# Altium PCB SmartSwitchV3.PcbDoc (continued)
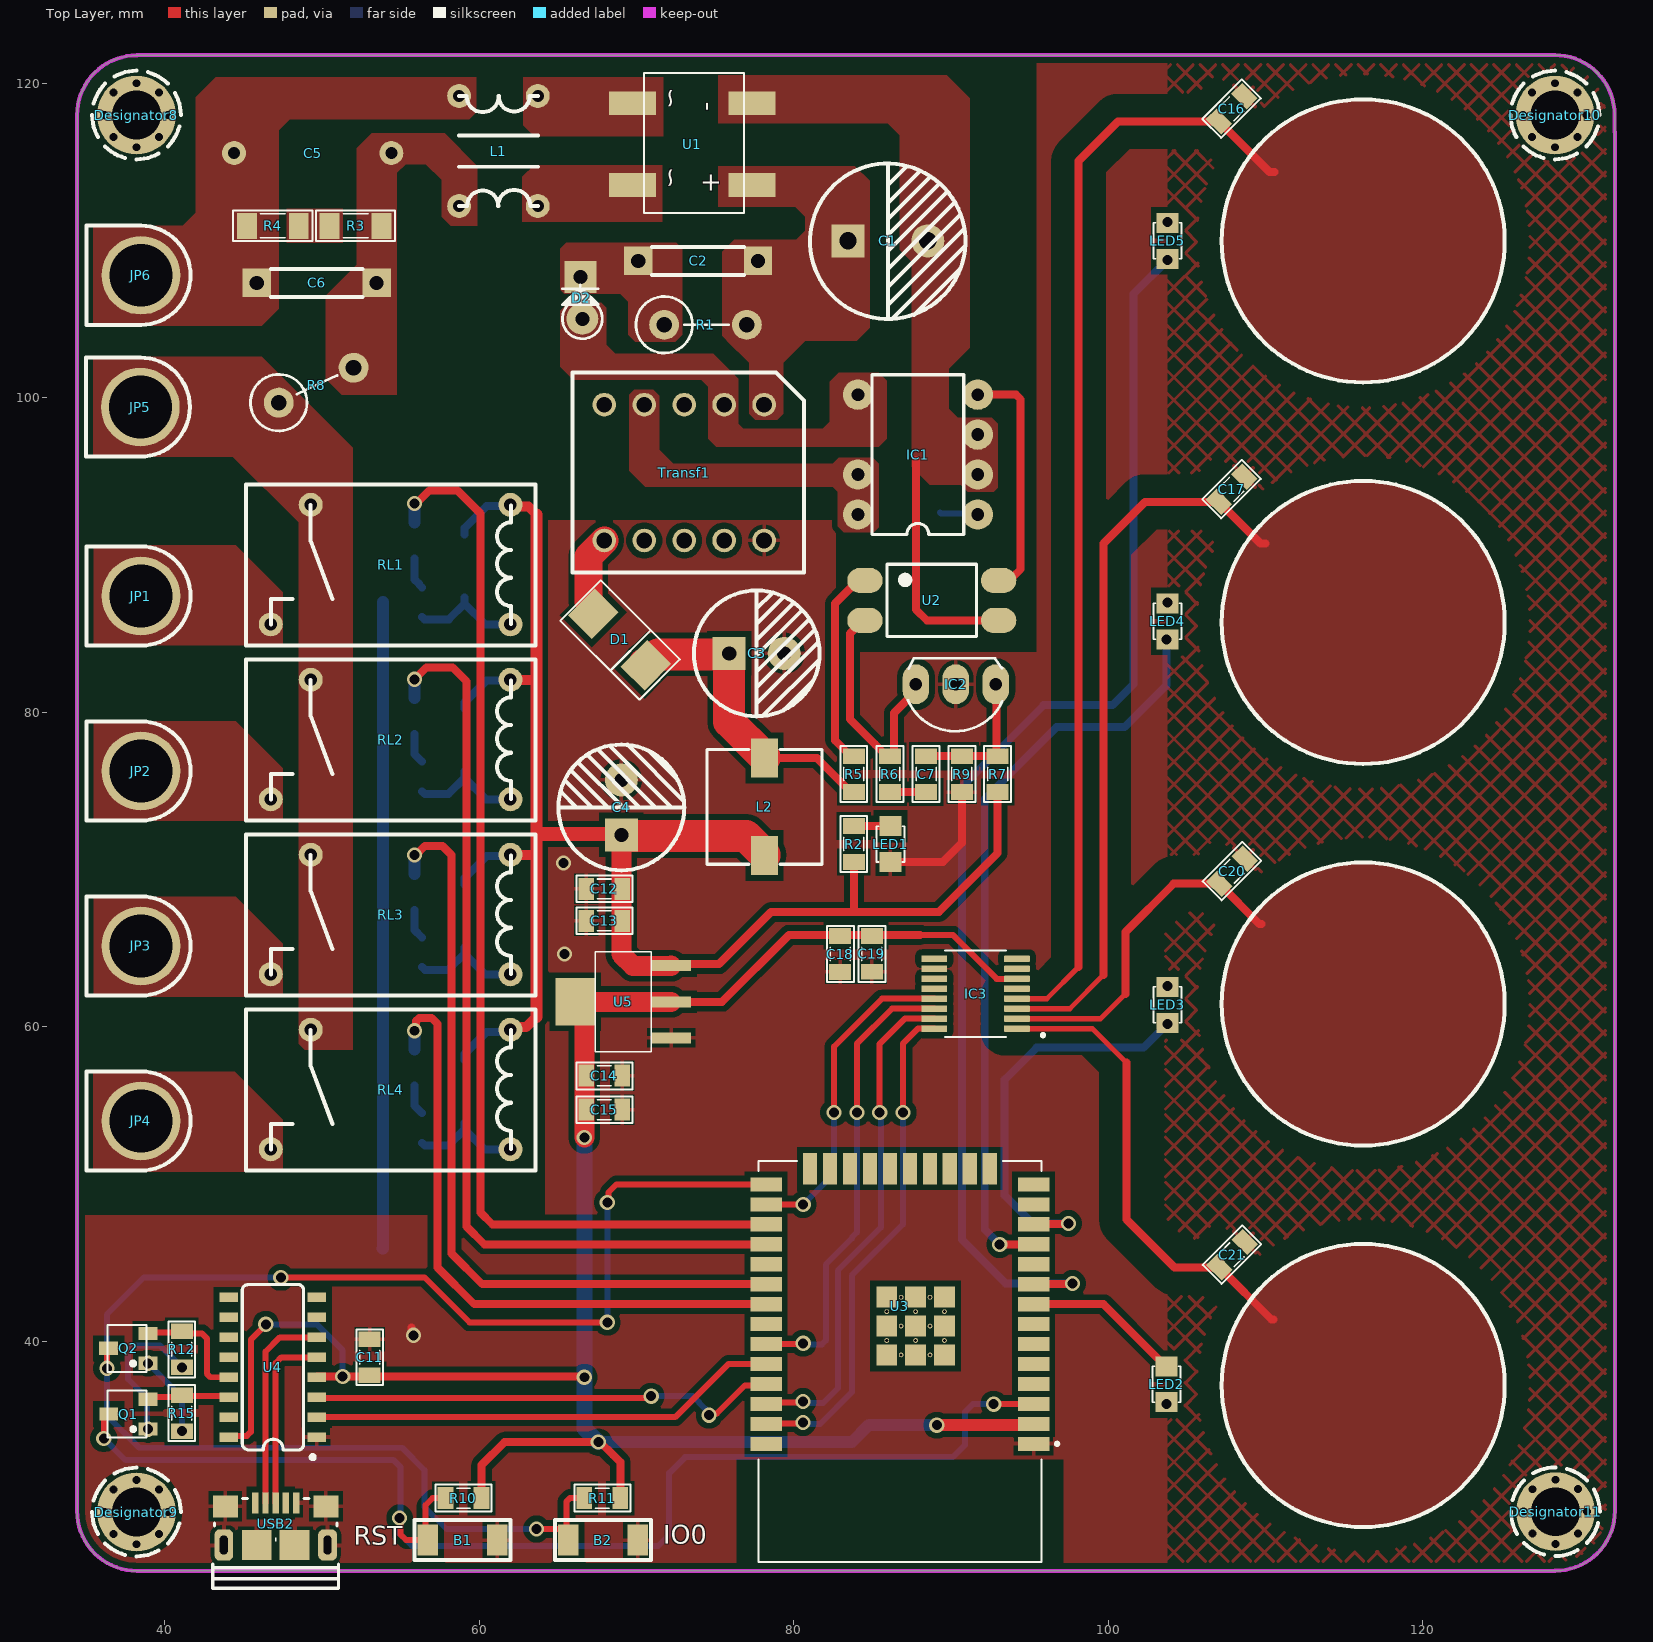
[diagram p0: Top Layer view]
## Footprints (in the part's own frame and the unit in brackets; to place one, negate y for a bottom-side part, rotate by r counter-clockwise, add the part's x,y. Pads: shape width x height; smd on the part's side, far side on the other; paste and mask are expansions set on the pad)
103/2KV [mm]
  rect 1.8x1.8 hole 0.9: 1(0,0) 2(7.62,0)
  silkscreen extent 0.89,-0.89 6.73,0.89, body extent -0.19,-1.2 7.81,1.19, height 9.03
"Button 3x4x2.5" [mm]
  rect 1.3x2 smd: 1(-2.2,0) 2(2.2,0)
  silkscreen extent -3.05,-1.27 3.05,1.27, body extent -2.45,-1.45 2.45,1.45, height 2
C8mm [mm]
  rect 2.1x2.1 hole 0.9: 1(-1.581,-0.069)
  round 2.1 hole 0.9: 2(1.919,-0.069)
  silkscreen extent -3.83,-4.07 4.17,3.93, body extent -3.93,-4.14 4.27,4.06, height 13.81
C10mm [mm]
  rect 2.1x2.1 hole 1.1: 1(-2.549,-0.062)
  round 2.1 hole 1.1: 2(2.531,-0.062)
  silkscreen extent -4.96,-5.02 4.92,4.85, body extent -5.01,-5.06 4.96,4.94, height 20.01
"Cap AC filter" [mil]
  round 60 hole 30: 1(-196.85,0) 2(196.85,0)
  body extent -256,-98 256,98, height 472
CAP_0805 [mm]
  rect 1x1.397 smd: 1(-1.088,-2.238) 2(1.198,-2.238)
  silkscreen extent -1.72,-3.1 1.83,-1.4, body extent -0.96,-2.88 1.06,-1.61, height 0.61
Coc_dong [mm]
  round 5 hole 4: 1(-0.1,-0.042)
  silkscreen extent -3.25,-3.5 3.05,3.11
DB207S [mm] "Bridge Rectifiers 2A 1000V"
  rect 1.5x3 smd: 1(2.54,3.81) 2(2.54,-3.785) 3(-2.667,-3.785) 4(-2.667,3.81)
  silkscreen extent -4.57,-3.05 4.32,3.3
DIO-1AN [mil] "Diode 1A, W 100mil, L 150mil"
  round 80 hole 35: 1(55,5)
  rect 80x80 hole 35: 2(-50,0)
  silkscreen extent -30,-45 105,55, body extent -64,-50 104,55, height 252
"DIODE SMA" [mm] "SMA"
  rect 2.5x1.7 smd: 1(-2,0) 2(2,0)
  silkscreen extent -3.68,-1.65 3.75,1.65, body extent -2.6,-1.37 2.6,1.37, height 2.4
DO-214AA(SMB) [mm] "DO-214AA Diode Middle Size"
  rect 2.16x2.4 smd: 1(2.184,-0.025) 2(-2.494,-0.076)
  silkscreen extent -3.76,-1.86 3.35,1.76, body extent -2.98,-1.76 2.42,1.86, height 2.43
HF32F [mm]
  round 1.524 hole 0.8: 1(16.87,3.9) 2(14.33,-3.7) 4(1.63,3.9) 5(1.63,-3.7)
  silkscreen extent 0.05,-5 18.45,5.25
HOLD [mm]
  round 0.5 hole 0.5: 2(-2.025,0) 2(-1.45,-1.4) 2(-1.45,1.425) 2(0,-2.05) 2(0,2.025) 2(1.429,-1.4) 2(1.429,1.434) 2(2,0)
  round 5 hole 3.1: 10(0,0)
  silkscreen extent -2.82,-2.82 2.82,2.82
"Inductor EE8.3" [mil]
  round 60 hole 30: 1(-137.8,-98.43) 2(-137.8,98.43) 3(137.8,-98.43) 4(137.8,98.43)
  silkscreen extent -138,-98 138,98
L_SMD [mm]
  rect 1.7x2.5 smd: 1(0.15,2.8) 2(0.15,-3.4)
  silkscreen extent -3.5,-3.95 3.8,3.35, body extent -3.5,-3.95 3.8,3.35, height 4.05
LED-0805-Red [mil]
  rect 50x55 smd: 1(0,0) 2(90,0)
  silkscreen extent 0,-35 90,35, body extent 5,-25 85,25, height 43
LM1117-SOP [mm]
  rect 0.7x2.54 smd: 1(-2.3,-1.27) 2(0,-1.27) 3(2.3,-1.27)
  rect 3x2.54 smd: 2(0,4.826)
  silkscreen extent -3.18,0 3.17,3.56, body extent -3.25,-1.78 3.25,5.18, height 1.68
MODULE_ESP32-WROOM-32 [mm]
  rect 2x0.9 smd: 1(-8.5,5.26) 2(-8.5,3.99) 3(-8.5,2.72) 4(-8.5,1.45) 5(-8.5,0.18) 6(-8.5,-1.09) 7(-8.5,-2.36) 8(-8.5,-3.63) 9(-8.5,-4.9) 10(-8.5,-6.17) 11(-8.5,-7.44) 12(-8.5,-8.71) 13(-8.5,-9.98) 14(-8.5,-11.25) 25(8.5,-11.25) 26(8.5,-9.98) 27(8.5,-8.71) 28(8.5,-7.44) 29(8.5,-6.17) 30(8.5,-4.9) 31(8.5,-3.63) 32(8.5,-2.36) 33(8.5,-1.09) 34(8.5,0.18) 35(8.5,1.45) 36(8.5,2.72) 37(8.5,3.99) 38(8.5,5.26)
  rect 0.9x2 smd: 15(-5.715,-12.25) 16(-4.445,-12.25) 17(-3.175,-12.25) 18(-1.905,-12.25) 19(-0.635,-12.25) 20(0.635,-12.25) 21(1.905,-12.25) 22(3.175,-12.25) 23(4.445,-12.25) 24(5.715,-12.25)
  rect 1.33x1.33 smd: 39_1(-2.835,-0.405) 39_2(-1,-0.405) 39_3(0.835,-0.405) 39_4(-2.835,-2.24) 39_5(-1,-2.24) 39_6(0.835,-2.24) 39_7(-2.835,-4.075) 39_8(-1,-4.075) 39_9(0.835,-4.075)
  round 0.3 hole 0.2: 39_10(-1.917,-0.405) 39_11(-0.082,-0.405) 39_12(-2.835,-1.322) 39_13(-1,-1.322) 39_14(0.835,-1.322) 39_15(-1.917,-2.24) 39_16(-0.082,-2.24) 39_17(-2.835,-3.157) 39_18(-1,-3.157) 39_19(0.835,-3.157) 39_20(-1.917,-4.075) 39_21(-0.082,-4.075)
  silkscreen extent -10.1,-12.75 9,12.75, body extent -9.02,-12.75 8.98,12.75, height 3.2
qto-92 [mil] "TO-92"
  oval 66x100 hole 32: 1(-100,0) 2(0,0) 3(100,0)
  silkscreen extent -117,-65 120,118, body extent -109,-66 109,95, height 245
RES-1WW [mm]
  round 1.905 hole 1: 1(-1.651,0) 2(3.6,0)
  silkscreen extent -3.45,-1.8 2.45,1.8
RES-SMD-0805 [mil]
  rect 39.37x55 smd: 1(-45,0) 2(45,0)
  silkscreen extent -70,-34 70,33, body extent -39,-25 39,25, height 31
RES-SMD-1206 [mil]
  rect 50x65 smd: 1(-65,0) 2(65,0)
  silkscreen extent -99,-38 99,39, body extent -63,-31 63,32, height 40
SO016 [mm]
  rect 0.6x1.2 smd: 1(-4.445,-2.8) 2(-3.175,-2.8) 3(-1.905,-2.8) 4(-0.635,-2.8) 5(0.635,-2.8) 6(1.905,-2.8) 7(3.175,-2.8) 8(4.445,-2.8) 9(4.445,2.8) 10(3.175,2.8) 11(1.905,2.8) 12(0.635,2.8) 13(-0.635,2.8) 14(-1.905,2.8) 15(-3.175,2.8) 16(-4.445,2.8)
  silkscreen extent -5.84,-2.67 5.26,1.95, body extent -4.99,-3.13 4.99,3.1, height 1.58
SOP4 [mm]
  oval 2.25x1.6 smd: 1(-4.25,1.27) 2(-4.25,-1.27) 3(4.25,-1.27) 4(4.25,1.27)
  silkscreen extent -2.85,-2.3 2.85,2.3, body extent -4.67,-2.29 4.93,2.31, height 3.6
SOT23 [mm] "SOT23"
  rect 0.9x0.95 smd: 1(-0.95,-1.25) 2(0,1.25)
  rect 0.9x0.95 smd mask+0: 3(0.95,-1.25)
  silkscreen extent -1.3,-0.38 1.3,1.25, body extent -1.52,-1.23 1.48,1.27, height 1.06
SOT23D [mm] "SOT 23C - 1-3-2 - BCE"
  rect 0.85x1.2 smd: 1(-0.95,-1.25) 2(0.94,-1.245) 3(0,1.25)
  silkscreen extent -1.5,-1.14 1.5,1.32, body extent -1.5,-1.17 1.5,1.33, height 1.06
TNY264 [mil] "Opto"
  round 76 hole 32: 1(66.54,46.85) 2(166.54,46.85) 3(266.54,46.85) 4(366.54,46.85) 5(366.54,346.85) 7(166.54,346.85) 8(66.54,346.85)
  silkscreen extent 17,82 417,312
"Transformer EE12.7" [mm]
  round 1.5 hole 1: 1(-5.08,-4.318) 2(-2.54,-4.318) 3(0,-4.318) 4(2.54,-4.318) 5(5.08,-4.318) 6(5.08,4.318) 7(2.54,4.318) 8(0,4.318) 9(-2.54,4.318) 10(-5.08,4.318)
  silkscreen extent -7.62,-6.35 7.11,6.35
TTP224 [mm]
  rrect25% 1.65x0.41 smd: 1(-3.129,1.71) 2(-3.129,1.075) 3(-3.129,0.44) 4(-3.129,-0.195) 5(-3.129,-0.829) 6(-3.129,-1.465) 7(-3.129,-2.1) 8(-3.129,-2.735) 9(2.131,-2.735) 10(2.131,-2.099) 11(2.131,-1.465) 12(2.131,-0.83) 13(2.131,-0.194) 14(2.131,0.44) 15(2.131,1.075) 16(2.131,1.71)
  silkscreen extent -4.88,-3.26 1.45,2.24, body extent -3.5,-2.96 2.5,1.94, height 1.75
"USB Micro 5p DIP" [mm]
  rect 0.4x1.35 smd mask+0.05: 1(-1.3,2.675) 2(-0.65,2.675) 3(0,2.675) 4(0.65,2.675) 5(1.3,2.675)
  rrect60% 1.2x2 hole 0.5 slot 1.2 at 90 deg: 5(-3.3,0) 5(3.3,0)
  rect 1.6x1.4 smd: 5(-3.2,2.45) 5(3.2,2.45)
  rect 1.9x1.9 smd paste-10: 5(-1.2,0) 5(1.2,0)
  silkscreen extent -4,-2.75 4,2.95, body extent -3.93,-2.76 3.93,2.9, height 2.85

## Part data
C1 C3 C4: library part "Cap Pol", "Polarized Capacitor (Axial)", LatestRevisionDate=17-Jul-2002, LatestRevisionNote="Re-released for DXP Platform.", PackageReference=POLAR0.8, Published=8-Jun-2000, Publisher="Altium Limited"
C2: library part Cap2KV, "CAP CERAMIC", LatestRevisionDate=17-Jul-2002, LatestRevisionNote="Re-released for DXP Platform.", PackageReference=RAD-0.3, Published=8-Jun-2000, Publisher="Altium Limited"
C5: library part "Cap AC filter", "Tụ lọc nguồn AC 0.1uf 275v 10mm"
C6: library part Cap2KV, "Capacitor Ceramic 2KV", LatestRevisionDate=17-Jul-2002, LatestRevisionNote="Re-released for DXP Platform.", PackageReference=RAD-0.3, Published=8-Jun-2000, Publisher="Altium Limited"
C7 C8 C9 C10 C11 C12 C13 C14 C15 C16 C17 C18 C19 C20 C21: library part CapSMD, "Capacitor", LatestRevisionDate=17-Jul-2002, LatestRevisionNote="Re-released for DXP Platform.", PackageReference=RAD-0.3, Published=8-Jun-2000, Publisher="Altium Limited"
D1: library part "Diode SMD", "Diode Schottky / 1N5819", Code - JEDEC=DO-214-AB, Published=8-Jun-2000, Publisher="Altium Limited", Revision="July-2002: Re-released for DXP Platform."
D2: library part "Diode SMD", "Diode Schottky / 1N4937", Code - JEDEC=DO-214-AB, Published=8-Jun-2000, Publisher="Altium Limited", Revision="July-2002: Re-released for DXP Platform."
D3 D4 D5 D6: library part "Diode M7 ( 4007 )", "Dán", Chung_Loai=Dán, Don_Vi=Con, Ma_Hang=MH000944, Ten_Linh_Kien="Diode M7 1N4007 SMD 1A 1000V"
IC1: "IC Power"
IC2: "Programmable Shunt Regulator"
L2: library part Inductor, "CD73R 22uH 1.23A 7345"
LED1 LED2 LED3 LED4 LED5: "LED Single colour Green and Red"
Q1 Q2: library part 2SC1815, "NPN 600mW, ECB"
Q3 Q4 Q5 Q6: library part "C1815 HF SMD", "NPN transistor"
R1 R2 R3 R4 R5 R6 R7 R8 R9 R10 R11 R12 R13 R14 R15 R16 R17 R18 R19 R20 R21: library part "Resistor - SMD", "Resistor", Manufacturer="Generic Components", Class=Passive, Published=08/06/2000, Publisher="Altium Hobart Technology Centre"
Transf1: library part "Tranformer EE16"
U1: "Diode Bridge"
U2: "Single Opto"
U3: "Bluetooth, WiFi Transceiver Module 2.4GHz ~ 2.5GHz Surface Mount", Package="Module Espressif Systems", Digi-Key_Part_Number=1904-1010-1-ND, Digi-Key_Purchase_URL=https://www.digikey.com/product-detail/en/espressif-systems/ESP32-WROOM-32/1904-1010-1-ND/8544305?utm_source=snapeda&utm_medium=aggregator&utm_campaign=symbol, MF="Espressif Systems", MP=ESP32-WROOM-32, SnapEDA_Link=https://www.snapeda.com/parts/ESP32-WROOM-32/Espressif%20Systems/view-part/2753322/?ref=snap
U4: "USB to serial chip CH340", Package=Package, Availability=Unavailable, Check_prices=https://www.snapeda.com/parts/CH340C/WCH/view-part/5428851/?ref=eda, MF=WCH, MP=CH340C, Price=None, SnapEDA_Link=https://www.snapeda.com/parts/CH340C/WCH/view-part/5428851/?ref=snap
U5: "800mA Low-Dropout Linear Regulator", Creator="Nguyen Ba Bien", Website=http://group3i.net
USB2: "USB Type B", Ma_Hang=MH005145, Ten="MicroUSB MK5P DIP"

## Via types
v1: diameter 0.965, hole 0.635, Top Layer to Bottom Layer, tented both sides, 45 vias

## Nets (pads, with @x,y where several pads share a name; then routed paths per layer and width w, separated by ;. In a path a pad name is that pad's centre, name@x,y a point inside that pad or via, vN(x,y) a via of type N, cw(c..) or ccw(c..) an arc to the next point about the centre after c; other vN are vias at no path point)
+3.3V: C9.1 C10.1 C11.1 C14.1 C15.1 C18.2 C19.2 IC3.6 R10.1 R11.1 U3.2 U4.4 U4.16 U5.2 | length 134.4
  Top Layer w0.381: U4.16 44.153,33.999 45.214,33.999 45.466,34.25 45.466,40.112 46.419,41.065 v1(46.419,41.084) ; 88.011,65.849 90.106,65.849 92.896,63.06 IC3.6
  Top Layer w0.508: U4.4 49.709,37.765 v1(51.308,37.765) 51.325,37.782 52.959,37.782 C11.1 ; C11.1@53.023,37.782 66.611,37.782 v1(66.675,37.719) ; R10.1 60.135,32.131 61.595,33.591 67.688,33.591 68.494,32.786 68.497,32.786 68.961,32.321 R11.1 ; U5.2@72.199,61.595 75.438,61.595 79.692,65.849 82.946,65.849 84.963,65.849 88.011,65.849
  Top Layer w0.762: v1@89.344,34.671 93.909,34.671 93.925,34.687 95.183,34.687 U3.2
  Top Layer w1.27: U5.2@66.103,61.595 66.675,61.023 v1(66.675,52.959) ; U5.2@66.675,61.595 U5.2@72.199,61.595
  Bottom Layer w0.381: v1(46.419,41.084) 49.657,41.084 51.308,39.433 v1(51.308,37.765)
  Bottom Layer w0.762: v1(67.564,33.591) 83.685,33.591 84.772,34.679 C10.1@85.09,34.679 ; C10.1@85.09,34.671 87.058,34.671 v1(89.09,34.671)
  Bottom Layer w1.016: v1(66.675,52.959) 66.675,34.48 v1(67.564,33.591)
+5: C4.1 C12.1 C13.1 D3.2 D4.2 D5.2 D6.2 L2.2 R2.2 R7.2 RL1.5 RL2.5 RL3.5 RL4.5 U5.3 | length 111.5
  Top Layer w0.508: U5.3 72.296,63.991 75.231,63.991 78.549,67.31 83.883,67.31 ; R2.2 83.82,67.373 83.883,67.31 ; R7.2 92.964,71.056 89.218,67.31 83.883,67.31
  Top Layer w0.635: RL4.5 62.141,59.982 62.966,59.982 63.627,60.642 ; RL3.5 63.627,70.944 ; RL2.5 63.281,82.071 ; RL1.5 62.083,93.091 63.119,93.091 63.627,92.583 ; 63.627,72.326 63.684,72.269
  Top Layer w0.762: 63.627,60.642 63.627,70.944 63.627,72.326 63.627,92.583 ; C4.1@68.966,72.269 C4.1
  Top Layer w0.889: 63.684,72.269 C4.1@68.966,72.269
  Top Layer w1.27: C4.1 69.03,64.625 69.774,63.881 72.185,63.881 U5.3
  Top Layer w2.032: C4.1 69.064,72.172 69.727,72.172 69.762,72.136 76.955,72.136 78.128,70.963 L2.2
  Bottom Layer w0.508: D6.2 59.055,58.28 60.452,59.677 61.836,59.677 RL4.5 ; D5.2 59.055,69.456 60.452,70.853 61.885,70.853 RL3.5 ; D4.2 59.055,80.632 60.452,82.029 61.934,82.029 RL2.5 ; D3.2 59.055,91.713 60.452,93.11 61.888,93.11 RL1.5
CH340_RXD: U3.35 U4.3 | length 30.1
  Top Layer w0.381: U4.3 49.701,36.411 70.828,36.411 v1(70.929,36.512) ; v1(74.612,35.306) 74.724,35.418 75.105,35.418 76.892,37.205 78.161,37.205 U3.35
  Bottom Layer w0.381: v1(70.929,36.512) 73.596,36.512 73.962,36.147 73.962,36.115 74.612,35.464 v1(74.612,35.306)
CH340_TXD: U3.34 U4.2 | length 30
  Top Layer w0.381: U4.2 72.453,35.179 75.83,38.555 U3.34
D_N: U4.6 USB2.2 | length 13.3
  Top Layer w0.381: USB2.2 46.397,39.348 47.307,40.259 U4.6
D_P: U4.5 USB2.3 | length 11.7
  Top Layer w0.381: USB2.3 47.047,38.623 47.413,38.989 U4.5
DTR: Q2.2 R12.1 U4.13 | length 7.5
  Top Layer w0.381: Q2.2@39.238,40.498 39.309,40.569 R12.1@41.156,40.569 ; R12.1 R12.1@41.156,40.569 ; U4.13 42.895,37.719 42.672,37.942 42.672,40.195 42.355,40.513 41.212,40.513 R12.1@41.156,40.569
EN: B1.2 Q1.3 R10.2 U3.3 | length 80.2
  Top Layer w0.381: v1(36.116,33.83) 36.116,35.148 36.351,35.382 Q1.3 ; v1(54.927,28.765) 54.997,28.696 54.997,27.711 55.34,27.368 B1.2 56.578,27.518 56.578,29.591 57.023,30.035 R10.2 ; v1(92.71,36.005) 92.715,36.01 95.236,36.01 U3.3
  Bottom Layer w0.381: v1(36.116,33.83) 37.498,32.448 54.547,32.448 54.991,32.004 54.991,28.829 v1(54.927,28.765) 54.927,27.781 55.721,26.987 71.374,26.987 72.072,27.686 72.072,31.623 73.088,32.639 90.106,32.639 90.868,33.401 90.868,35.496 91.376,36.005 v1(92.71,36.005)
GND: B1.1 B2.1 C3.2 C4.2 C9.2 C10.2 C11.2 C12.2 C13.2 C14.2 C15.2 C16.1 C17.1 C18.1 C19.1 C20.1 C21.1 IC2.2 IC3.10 LED1.2 Q3.2 Q4.2 Q5.2 Q6.2 R9.1 R13.2 R14.2 R16.2 R17.2 Transf1.10 U3.1 U4.1 U5.1 USB2.5 | length 50
  Top Layer w0.508: 55.689,40.894 55.689,40.386 v1(55.816,40.386) ; LED1.2 89.471,70.485 90.678,71.691 R9.1
  Bottom Layer w0.762: 53.848,45.91 53.858,45.92 53.858,53.563 Q6.2 Q5.2 Q4.2 Q3.2
  other v1: 65.405,64.643 65.341,70.421
GND_AC: C1.2 C8.1 IC1.2 IC1.3 IC1.7 IC1.8 Transf1.4 U1.4 U2.3 | length 15
  Top Layer w0.508: 87.757,96.035 87.757,86.55 88.456,85.852 U2.3
IO0: B2.2 Q2.3 R11.2 U3.25 | length 97.9
  Top Layer w0.381: v1(36.322,38.291) 36.322,39.455 Q2.3 ; v1(47.371,44.069) 56.515,44.069 59.372,41.212 v1(68.135,41.212) ; v1(63.627,28.067) 65.199,28.067 B2.2@65.532,27.734 ; B2.2@65.532,27.495 B2.2@65.532,27.734 ; B2.2 65.659,27.607 B2.2@65.532,27.734 ; R11.2 65.755,30.035 65.532,29.812 B2.2@65.532,27.734 ; v1(68.135,48.831) 68.214,48.91 68.214,49.482 68.707,49.974 78.23,49.974 U3.25
  Bottom Layer w0.381: v1(47.371,44.069) 38.672,44.069 36.322,41.719 v1(36.322,38.291) 36.322,35.275 38.361,33.236 55.093,33.236 56.515,31.814 56.515,29.464 57.912,28.067 v1(63.627,28.067) ; v1(68.135,41.212) v1(68.135,48.831)
IO25: U3.10
IO26: LED4.1 U3.11 | length 48.4
  Top Layer w0.508: v1(93.091,46.164) 93.096,46.17 95.236,46.17 U3.11 U3.11@95.268,46.202
  Bottom Layer w0.508: v1(93.091,46.164) 92.138,47.117 92.138,74.486 96.71,79.057 101.028,79.057 103.695,81.724 v1(103.695,84.645)
IO27: LED3.1 U3.12 | length 26.2
  Top Layer w0.508: U3.12 95.268,47.472 97.446,47.472 v1(97.472,47.498)
  Bottom Layer w0.508: v1(97.472,47.498) 95.186,47.498 93.408,49.276 93.408,56.642 95.441,58.674 102.235,58.674 v1(103.759,60.198)
IO32: LED2.1 U3.8 | length 10.1
  Top Layer w0.508: U3.8 99.684,42.365 103.632,38.417 LED2.1
IO33: LED5.1 U3.9 | length 81
  Top Layer w0.508: U3.9 95.268,43.662 97.7,43.662 v1(97.727,43.688)
  Bottom Layer w0.508: v1(97.727,43.688) 93.472,43.688 90.678,46.482 90.678,75.248 95.885,80.454 100.266,80.454 101.6,81.788 101.6,106.617 v1(103.759,108.775)
L_1: JP1.1 RL1.1
L_2: JP2.1 RL2.1
L_3: JP3.1 RL3.1
L_4: JP4.1 RL4.1
L_AC: JP5.1 R8.1 RL1.2 RL2.2 RL3.2 RL4.2
NetC1_1: C1.1 C2.1 R1.2 Transf1.1 U1.1
NetC2_2: C2.2 D2.2 R1.1
NetC3_1: C3.1 D1.2 L2.1 R5.2 | length 19.8
  Top Layer w0.508: L2.1 81.457,77.095 83.622,74.93 R5.2
  Top Layer w2.032: D1.2@70.498,83.089 D1.2@70.521,83.089 ; D1.2@70.554,83.056 70.735,83.056 71.373,83.693 75.167,83.693 75.192,83.717 75.855,83.717 C3.1 75.889,79.402 78.128,77.163 L2.1
NetC5_1: C5.1 C6.1 JP6.1 L1.4 R4.1
NetC5_2: C5.2 C6.2 L1.2 R3.2 R8.2
NetC7_1: C7.1 IC2.1 R7.1 R9.2 | length 9.2
  Top Layer w0.508: C7.1 R7.1 92.9,77.28 92.9,81.724 IC2.1
NetC7_2: C7.2 R6.1 | length 2.3
  Top Layer w0.508: R6.1 C7.2
NetC8_2: C8.2 IC1.1 | length 2.5
  Bottom Layer w0.381: C8.2 89.344,92.647 91.63,92.647 IC1.1
NetD1_1: D1.1 Transf1.6 | length 5.3
  Top Layer w1.778: D1.1 67.329,86.356 67.329,86.627 66.929,87.026 66.929,89.916 Transf1.6
NetD2_1: D2.1 IC1.5 Transf1.2
NetD3_1: D3.1 Q3.3 RL1.4 | length 7
  Bottom Layer w0.508: Q3.3 56.509,85.915 58.058,85.915 D3.1@59.055,86.913 ; D3.1 D3.1@59.055,86.913 ; RL1.4 60.37,85.598 D3.1@59.055,86.913
NetD4_1: D4.1 Q4.3 RL2.4 | length 7.1
  Bottom Layer w0.508: Q4.3 56.54,74.803 58.026,74.803 D4.1@59.055,75.832 ; D4.1 D4.1@59.055,75.832 ; RL2.4 60.416,74.471 D4.1@59.055,75.832
NetD5_1: D5.1 Q5.3 RL3.4 | length 7
  Bottom Layer w0.508: Q5.3 56.54,63.627 58.026,63.627 D5.1@59.055,64.656 ; D5.1 D5.1@59.055,64.656 ; RL3.4 60.367,63.344 D5.1@59.055,64.656
NetD6_1: D6.1 Q6.3 RL4.4 | length 7
  Bottom Layer w0.508: Q6.3 56.54,52.451 58.026,52.451 D6.1@59.055,53.48 ; D6.1 D6.1@59.055,53.48 ; RL4.4 60.318,52.217 D6.1@59.055,53.48
NetIC1_4: IC1.4 U2.4 | length 15.4
  Top Layer w0.508: IC1.4 94.127,100.203 94.424,99.905 94.424,89.104 93.922,88.601 93.232,88.601 U2.4
NetIC2_3: IC2.3 R6.2 U2.2 | length 15.5
  Top Layer w0.508: U2.2 84.41,85.852 83.566,85.008 83.566,79.567 85.153,77.979 85.153,77.97 85.908,77.216 86.114,77.216 86.36,77.462 86.36,79.959 87.757,81.356 IC2.3
NetL1_1: L1.1 U1.2
NetL1_3: L1.3 U1.3
NetLED1_1: LED1.1 R2.1 | length 2.3
  Top Layer w0.508: R2.1 LED1.1
NetLED2_2: LED2.2 R13.1 | length 0.1
  Top Layer w0.508: v1(103.695,36.005) LED2.2
NetLED3_2: LED3.2 R14.1 | length 0
  other v1: 103.759,62.611
NetLED4_2: LED4.2 R16.1 | length 0
  other v1: 103.759,86.995
NetLED5_2: LED5.2 R17.1 | length 0.1
  Bottom Layer w0.508: R17.1 v1(103.759,111.188)
NetQ1_1: Q1.1 R12.2 | length 9.7
  Top Layer w0.381: v1(38.925,34.417) 38.925,34.427 Q1.1
  Bottom Layer w0.381: v1(38.925,34.417) 38.862,34.48 38.862,36.401 37.655,37.608 37.655,39.37 38.036,39.751 39.688,39.751 v1(41.084,38.354)
NetQ2_1: Q2.1 R15.2 | length 5.2
  Bottom Layer w0.381: v1(38.925,38.608) 41.084,36.449 v1(41.084,34.29)
NetQ3_1: Q3.1 R18.2 | length 2
  Bottom Layer w0.508: R18.2 55.88,88.45 56.147,88.183 56.147,88.152 56.343,87.956 Q3.1
NetQ4_1: Q4.1 R19.2 | length 2
  Bottom Layer w0.508: R19.2 55.88,77.338 56.343,76.875 Q4.1
NetQ5_1: Q5.1 R20.2 | length 2
  Bottom Layer w0.508: R20.2 55.88,66.162 56.343,65.699 Q5.1
NetQ6_1: Q6.1 R21.2 | length 2
  Bottom Layer w0.508: R21.2 55.88,54.986 56.343,54.523 Q6.1
NetR3_1: R3.1 R4.2
NetR5_1: R5.1 U2.1 | length 12.8
  Top Layer w0.508: R5.1 83.622,77.216 82.614,78.224 82.614,86.931 84.074,88.392 U2.1
RL1: R18.1 U3.27 | length 69.3
  Top Layer w0.508: v1(55.88,93.281) 55.989,93.281 56.815,94.107 58.61,94.107 60.071,92.647 60.071,48.197 60.823,47.445 U3.27
  Bottom Layer w0.762: R18.1 v1(55.88,93.281)
RL2: R19.1 U3.28 | length 59.4
  Top Layer w0.508: v1(55.88,82.105) 56.642,82.867 58.293,82.867 59.182,81.978 59.182,47.307 60.314,46.175 U3.28
  Bottom Layer w0.762: R19.1 v1(55.88,82.105)
RL3: R20.1 U3.30 | length 50.2
  Top Layer w0.508: v1(55.88,70.929) 55.962,70.929 56.533,71.501 57.658,71.501 58.229,70.929 58.229,45.593 60.187,43.635 U3.30
  Bottom Layer w0.762: R20.1 v1(55.88,70.929)
RL4: R21.1 U3.31 | length 40.8
  Top Layer w0.508: v1(55.88,59.753) 55.967,59.841 55.967,60.369 56.178,60.579 56.959,60.579 57.34,60.198 57.34,44.704 59.679,42.365 U3.31
  Bottom Layer w0.762: R21.1 v1(55.88,59.753)
RST: Q1.2 R15.1 U4.14 | length 5.3
  Top Layer w0.381: Q1.2 39.053,36.449 40.957,36.449 R15.1 41.148,36.513 43.999,36.513 U4.14
TP0: C21.2 IC3.1 | length 29.8
  Top Layer w0.33: IC3.1 98.992,59.885 101.155,57.721
  Top Layer w0.508: 101.155,57.721 101.155,47.752 104.203,44.704 C21.2 110.363,41.402 110.49,41.402
TP1: C20.2 IC3.2 | length 22.5
  Top Layer w0.33: IC3.2 99.509,60.52 101.092,62.103
  Top Layer w0.508: 101.092,62.103 101.092,66.04 104.157,69.105 107.044,69.105 C20.2 109.601,66.548 109.728,66.548
TP2: C17.2 IC3.3 | length 46.3
  Top Layer w0.33: IC3.3 97.54,61.155 99.695,63.309
  Top Layer w0.508: 99.695,63.309 99.695,90.742 102.333,93.38 C17.2 109.67,90.742 109.982,90.742
TP3: C16.2 IC3.4 | length 70.8
  Top Layer w0.33: IC3.4 96.08,61.79 98.108,63.817
  Top Layer w0.508: 98.108,63.817 98.108,115.062 100.619,117.573 C16.2 110.242,114.364 110.553,114.364
TPQ0: IC3.16 U3.37 | length 32.3
  Top Layer w0.381: U3.37 78.287,34.791 80.536,34.791 v1(80.581,34.836) ; v1(86.931,54.546) 86.931,58.928 87.885,59.881 88.925,59.881 IC3.16
  Bottom Layer w0.381: v1(80.581,34.836) 80.683,34.734 81.661,34.734 83.693,36.767 83.693,44.196 86.931,47.434 v1(86.931,54.546)
TPQ1: IC3.15 U3.36 | length 32.3
  Top Layer w0.381: U3.36 78.325,36.099 80.498,36.099 v1(80.581,36.182) ; v1(85.458,54.546) 85.458,58.915 87.063,60.52 IC3.15
  Bottom Layer w0.381: v1(80.581,36.182) 80.683,36.081 81.864,36.081 82.804,37.02 82.804,44.514 85.534,47.244 85.534,54.47 v1(85.458,54.546)
TPQ2: IC3.14 U3.33 | length 29.4
  Top Layer w0.381: U3.33 78.246,39.82 80.589,39.82 v1@80.594,39.814 ; v1(84.01,54.546) 84.01,58.928 86.237,61.155 IC3.14
  Bottom Layer w0.381: v1@80.594,39.814 81.788,39.814 82.042,40.069 82.042,44.895 83.693,46.545 83.693,46.609 84.01,46.926 v1(84.01,54.546)
  other v1: 80.594,39.878
TPQ3: IC3.13 U3.26 | length 20.8
  Top Layer w0.381: U3.26 78.246,48.71 80.589,48.71 v1(80.594,48.704) ; v1(82.55,54.546) 82.55,58.737 85.602,61.789 IC3.13
  Bottom Layer w0.381: v1(80.594,48.704) 82.55,50.66 v1(82.55,54.546)
pads on no net: Designator8.2 Designator8.10 Designator9.2 Designator9.10 Designator10.2 Designator10.10 Designator11.2 Designator11.10 IC3.5 IC3.7 IC3.8 IC3.9 IC3.11 IC3.12 Transf1.3 Transf1.5 Transf1.7 Transf1.8 Transf1.9 U3.4 U3.5 U3.6 U3.7 U3.13 U3.14 U3.15 U3.16 U3.17 U3.18 U3.19 U3.20 U3.21 U3.22 U3.23 U3.24 U3.29 U3.32 U3.38 U3.39_1 U3.39_2 U3.39_3 U3.39_4 U3.39_5 U3.39_6 U3.39_7 U3.39_8 U3.39_9 U3.39_10 U3.39_11 U3.39_12 U3.39_13 U3.39_14 U3.39_15 U3.39_16 U3.39_17 U3.39_18 U3.39_19 U3.39_20 U3.39_21 U4.7 U4.8 U4.9 U4.10 U4.11 U4.12 U4.15 USB2.1 USB2.4

## Polygon pours and split planes (outlines as drawn)
GND on Top Layer "100" (hatched 45Degree grid 1.016 track 0.203, pour order 47): 103.632,25.4 103.632,121.793 cw(c103.759,121.793) 103.759,121.92 128.385,121.92 cw(c128.391,117.977) 132.335,117.983 132.335,29.082 cw(c128.551,29.082) 128.551,25.297 103.835,25.297 cw(c103.759,25.4)
GND on Top Layer "100" (solid, pour order 43): 95.441,121.793 103.759,121.793 103.759,25.4 34.417,25.4 34.417,48.006 64.198,48.006 64.198,92.202 82.677,92.202 82.677,83.82 95.441,83.82
L_AC on Top Layer "100" (solid, pour order 36): 35.433,96.266 35.433,102.616 46.164,102.616 51.943,96.837 51.943,58.547 48.895,58.547 48.514,58.928 48.514,92.075 44.323,96.266
L_4 on Top Layer "100" (solid, pour order 6): 44.45,57.15 47.498,54.102 47.498,50.793 35.433,50.793 35.433,57.15
L_3 on Top Layer "100" (solid, pour order 7): 44.496,68.273 47.498,65.271 47.498,61.923 35.479,61.923 35.479,68.273
L_2 on Top Layer "100" (solid, pour order 8): 44.496,79.449 47.498,76.447 47.498,73.099 35.479,73.099 35.479,79.449
L_1 on Top Layer "100" (solid, pour order 9): 44.496,90.625 47.498,87.623 47.498,84.275 35.479,84.275 35.479,90.625
NetC5_2 on Top Layer "100" (solid, pour order 35): 49.911,101.536 51.244,100.203 54.737,100.203 54.737,114.3 55.308,114.871 56.578,114.871 57.594,113.855 57.594,111.506 58.166,110.934 59.88,110.934 59.88,114.745 57.785,116.84 53.149,116.84 52.197,115.887 52.197,108.458 50.228,106.489 50.228,101.219
NetC5_1 on Top Layer "100" (solid, pour order 33): 41.973,116.141 41.974,116.142 41.974,119.126 43.243,120.396 59.817,120.396 59.817,118.173 59.372,117.729 47.942,117.729 47.244,117.03 47.244,115.887 41.974,115.887
NetC5_1 on Top Layer "100" (solid, pour order 30): 35.433,104.584 46.164,104.584 47.244,105.664 47.244,116.141 41.973,116.141 41.974,111.76 41.148,110.934 35.433,110.934
GND_AC on Top Layer "100" (solid, pour order 26): 91.186,108.648 91.186,103.188 89.852,101.854 89.852,99.314 90.424,98.742 92.583,98.742 92.964,98.361 92.964,94.297 92.71,94.043 91.059,94.043 90.614,94.488 88.646,94.488 87.503,95.631 87.503,108.648
GND_AC on Top Layer "100" (solid, pour order 23): 85.026,96.203 82.867,96.203 82.486,95.822 72.326,95.822 71.438,96.71 71.438,100.139 71.056,100.52 69.85,100.52 69.532,100.203 69.532,95.377 70.549,94.361 82.486,94.361 82.804,94.043 82.804,91.821 83.185,91.44 85.09,91.44 85.407,91.757 85.407,95.822
NetD2_1 on Top Layer "100" (solid, pour order 21): 76.454,99.06 76.454,98.361 76.771,98.044 81.851,98.044 82.296,98.489 82.296,101.028 82.867,101.6 85.407,101.6 85.915,101.092 85.915,97.409 85.407,96.901 75.057,96.901 74.549,97.409 74.549,99.06
NetD2_1 on Top Layer "100" (solid, pour order 20): 65.151,105.537 65.659,106.045 67.754,106.045 68.072,105.727 68.072,103.378 68.643,102.806 74.866,102.806 76.454,101.219 76.454,98.806 76.136,98.489 75.12,98.489 74.549,99.06 74.549,100.711 74.105,101.155 65.977,101.155 65.151,101.981
NetC1_1 on Top Layer "100" (solid, pour order 19): 75.628,103.759 77.153,102.235 77.153,98.996 77.534,98.615 78.93,98.615 79.311,98.996 79.311,102.235 80.835,103.759
NetC2_2 on Top Layer "100" (solid, pour order 18): 65.151,109.474 65.532,109.855 72.517,109.855 72.898,109.474 72.898,104.013 72.453,103.569 69.913,103.569 69.469,104.013 69.469,106.108 68.961,106.617 65.405,106.617 65.151,106.87
NetC1_1 on Top Layer "100" (solid, pour order 17): 75.184,114.745 83.883,114.745 84.836,113.792 84.836,104.457 84.01,103.632 75.755,103.632 75.438,103.95 75.438,109.283 76.2,110.045 80.137,110.045 80.708,110.617 80.709,111.506 80.073,112.141 75.184,112.141
GND_AC on Top Layer "100" (solid, pour order 16): 75.184,120.523 89.725,120.523 91.186,119.062 91.186,108.394 87.757,108.394 86.741,109.41 86.741,116.713 85.979,117.475 75.184,117.475
NetL1_1 on Top Layer "100" (solid, pour order 13): 62.738,114.046 63.5,114.808 71.628,114.808 71.628,111.188 62.738,111.188
NetL1_3 on Top Layer "100" (solid, pour order 12): 62.801,120.396 71.691,120.396 71.691,116.649 63.5,116.649 62.801,117.348
NetR3_1 on Top Layer "100" (solid, pour order 11): 47.752,112.014 51.308,112.014 51.308,109.855 47.752,109.855
TP0 on Top Layer "100" (solid, pour order 5): 107.205,37.193 ccw(c116.205,37.193) 116.205,28.193 ccw(c116.205,37.193) 125.205,37.193 ccw(c116.205,37.193) 116.205,46.193 ccw(c116.205,37.193)
TP1 on Top Layer "100" (solid, pour order 4): 107.205,61.456 ccw(c116.205,61.456) 116.205,52.456 ccw(c116.205,61.456) 125.205,61.456 ccw(c116.205,61.456) 116.205,70.456 ccw(c116.205,61.456)
TP3 on Top Layer "100" (solid, pour order 1): 107.205,109.982 ccw(c116.205,109.982) 116.205,100.982 ccw(c116.205,109.982) 125.205,109.982 ccw(c116.205,109.982) 116.205,118.982 ccw(c116.205,109.982)
TP2 on Top Layer "100" (solid, pour order 3): 107.205,85.719 ccw(c116.205,85.719) 116.205,76.719 ccw(c116.205,85.719) 125.205,85.719 ccw(c116.205,85.719) 116.205,94.719 ccw(c116.205,85.719)
GND on Bottom Layer "100" (hatched 45Degree grid 1.016 track 0.203, pour order 48): 103.639,25.527 103.639,121.92 cw(c103.767,121.92) 103.767,122.047 128.393,122.047 cw(c128.399,118.104) 132.343,118.11 132.343,29.209 cw(c128.558,29.209) 128.558,25.424 103.842,25.424 cw(c103.767,25.527)
GND on Bottom Layer "100" (solid, pour order 44): 95.441,121.793 103.759,121.793 103.759,25.4 34.417,25.4 34.417,48.006 64.198,48.006 64.198,92.202 82.677,92.202 82.677,83.82 95.441,83.82
L_4 on Bottom Layer "100" (solid, pour order 42): 44.45,57.15 47.498,54.102 47.498,50.82 35.433,50.82 35.433,57.15
L_3 on Bottom Layer "100" (solid, pour order 41): 44.496,68.273 47.498,65.271 47.498,61.923 35.479,61.923 35.479,68.273
L_2 on Bottom Layer "100" (solid, pour order 40): 44.496,79.449 47.498,76.447 47.498,73.099 35.479,73.099 35.479,79.449
L_1 on Bottom Layer "100" (solid, pour order 39): 44.496,90.625 47.498,87.623 47.498,84.275 35.479,84.275 35.479,90.625
L_AC on Bottom Layer "100" (solid, pour order 38): 35.443,96.27 35.443,102.62 46.174,102.62 51.953,96.841 51.953,58.551 48.905,58.551 48.514,58.942 48.514,92.089 44.333,96.27
NetC5_2 on Bottom Layer "100" (solid, pour order 37): 49.911,101.536 51.244,100.203 54.737,100.203 54.737,114.3 55.308,114.871 56.578,114.871 57.594,113.855 57.594,111.506 58.166,110.934 59.88,110.934 59.88,114.745 57.785,116.84 53.149,116.84 52.197,115.887 52.197,108.458 50.228,106.489 50.228,101.219
NetC5_1 on Bottom Layer "100" (solid, pour order 34): 41.973,116.173 41.974,116.173 41.974,119.158 43.243,120.428 59.817,120.428 59.817,118.205 59.372,117.761 47.942,117.761 47.244,117.062 47.244,115.919 41.974,115.919
NetC5_1 on Bottom Layer "100" (solid, pour order 32): 35.433,104.584 46.164,104.584 47.244,105.664 47.244,116.141 41.973,116.141 41.974,111.76 41.148,110.934 35.433,110.934
GND_AC on Bottom Layer "100" (solid, pour order 25): 92.9,98.361 92.519,98.742 90.614,98.742 90.043,98.171 90.043,96.901 89.344,96.203 82.995,96.203 82.423,95.631 82.423,91.948 82.931,91.44 85.09,91.44 85.534,91.885 85.534,93.599 86.233,94.297 90.868,94.297 91.123,94.043 92.647,94.043 92.9,94.297
L_4 on Bottom Solder "100" (solid): 35.425,57.166 41.512,57.166 41.512,50.816 35.425,50.816
L_3 on Bottom Solder "100" (solid): 35.471,68.282 41.557,68.282 41.557,61.932 35.471,61.932
L_2 on Bottom Solder "100" (solid): 35.477,79.437 41.564,79.437 41.564,73.087 35.477,73.087
L_1 on Bottom Solder "100" (solid): 35.46,90.628 41.547,90.628 41.547,84.278 35.46,84.278
NetC5_1 on Bottom Solder "100" (solid): 35.417,110.931 41.504,110.931 41.504,104.581 35.417,104.581
L_AC on Bottom Solder "100" (solid, pour order 49): 35.433,102.616 41.519,102.616 41.519,96.266 35.433,96.266

## Keep-outs
Keep-Out Layer:
  lines w0.254: 38.217,121.783 ccw(c38.217,117.983) 34.417,117.983 34.417,49.466 34.417,29.21 ccw(c38.217,29.21) 38.217,25.41 125.222,25.41 128.414,25.41 ; 38.217,121.8 128.392,121.8 cw(c128.392,118) 132.192,118 132.192,116.903 132.207,116.903 132.207,29.215 132.214,29.215 cw(c128.414,29.215) 128.414,25.415

## Other copper
Bottom Layer:
  pour cut-out: 105.705,37.193 ccw(c116.205,37.193) 116.205,26.693 ccw(c116.205,37.193) 126.705,37.193 ccw(c116.205,37.193) 116.205,47.693 ccw(c116.205,37.193)
  pour cut-out: 105.705,61.456 ccw(c116.205,61.456) 116.205,50.956 ccw(c116.205,61.456) 126.705,61.456 ccw(c116.205,61.456) 116.205,71.956 ccw(c116.205,61.456)
  pour cut-out: 105.705,85.719 ccw(c116.205,85.719) 116.205,75.219 ccw(c116.205,85.719) 126.705,85.719 ccw(c116.205,85.719) 116.205,96.219 ccw(c116.205,85.719)
  pour cut-out: 105.705,109.982 ccw(c116.205,109.982) 116.205,99.482 ccw(c116.205,109.982) 126.705,109.982 ccw(c116.205,109.982) 116.205,120.482 ccw(c116.205,109.982)
Multi-Layer:
  pour cut-out: 76.327,25.209 76.327,32.512 97.155,32.512 97.155,25.209

## Silkscreen, mask and mechanical layers (free items; w line width, h text height)
Top Overlay:
  circle w0.254: c116.205,61.456 r9
  circle w0.254: c116.205,85.719 r9
  circle w0.254: c116.205,37.193 r9
  circle w0.254: c116.205,109.982 r9
  text "IO0" at 71.693,26.728 h2.03
  text "RST" at 52.01,26.662 h2.03
Bottom Overlay:
  drawing of 653 lines, arcs and shapes, not listed
  text "Switch V3.0" at 125.252,36.132 h1.52 r270
  text "@NVD" at 128.237,36.132 h1.52 r270

## Text inside footprints (layer, text, board x,y; h text height)
U1: Top Overlay "+" at 74.041,114.173 h1.2 r180; Top Overlay "-" at 74.041,118.237 h1.2 r270; Top Overlay "~" at 71.628,113.284 h1.2 r270; Top Overlay "~" at 71.628,118.364 h1.2 r270